# Altium PCB Master.PcbDoc (continued)
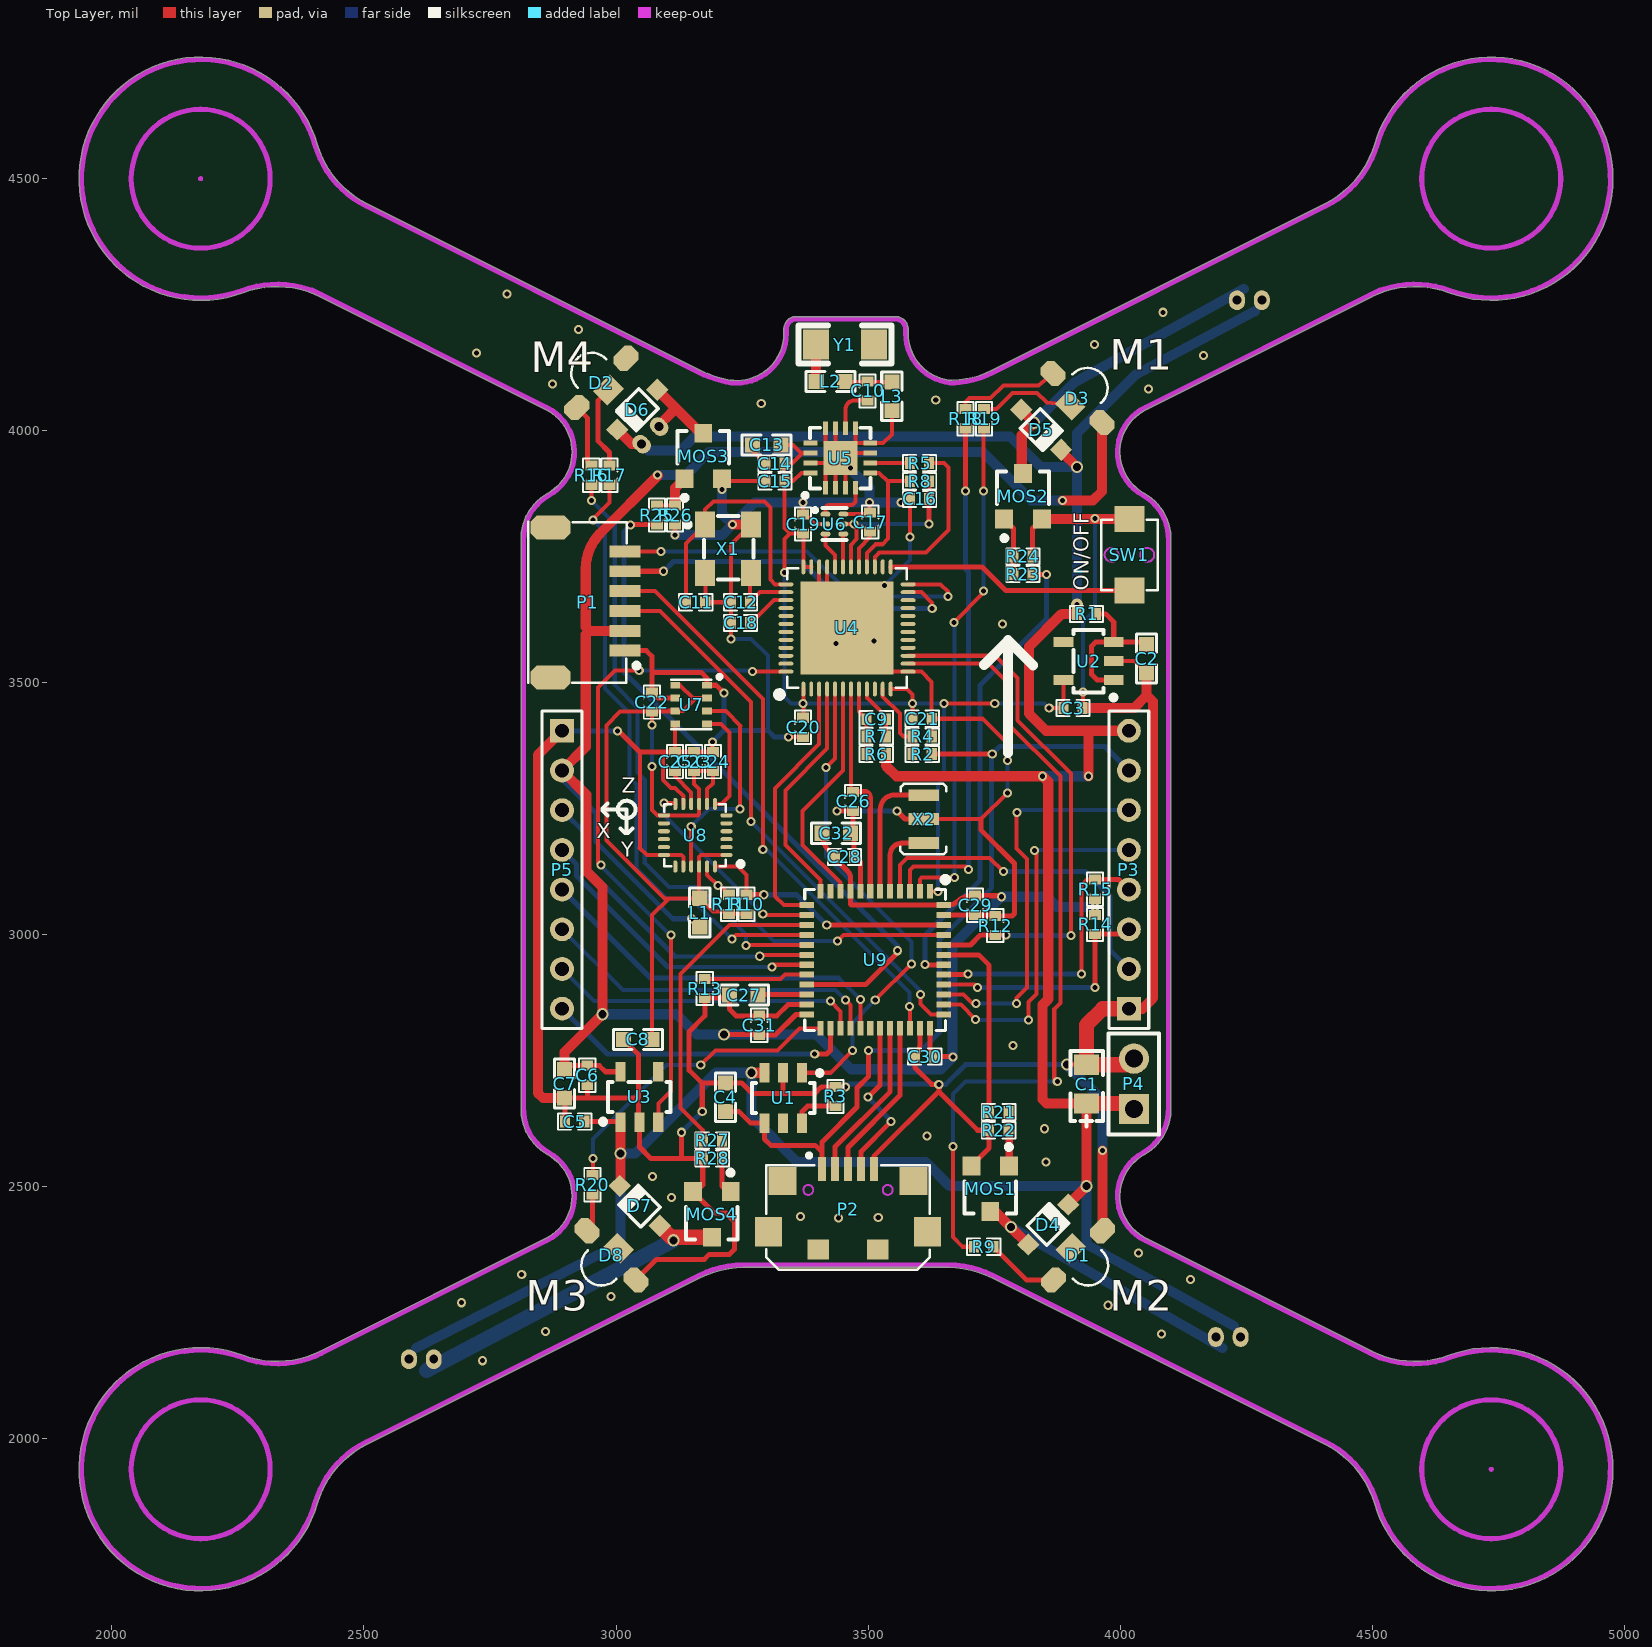
[diagram p0: Top Layer view]
## Part data
C1: library part CAP
C2 C3 C4 C5 C6 C7 C8 C9 C10 C11 C12 C13 C14 C15 C16 C17 C18 C19 C20 C21 C22 C23 C24 C25 C26 C27 C28 C29 C30 C31 C32: library part C
D1 D8: library part "LED 1206 侧贴  单色", "LED 1206 侧贴  单色"
D2 D3: library part "LED 1206 侧贴 双色", "LED 1206 侧贴 双色"
D4 D5 D6 D7: library part BAT54, "单肖特基二极管"
L1 L2 L3: library part L
MOS1 MOS2 MOS3 MOS4: library part MOS-N, "AP2306"
P1: library part HEAD6
P2: library part USB5
P3 P5: library part HEAD8
P4: library part "Header 2", "Header, 2-Pin"
R1 R2 R3 R4 R5 R6 R7 R8 R9 R10 R11 R12 R13 R14 R15 R16 R17 R18 R19 R20 R21 R22 R23 R24 R25 R26 R27 R28: library part R
SW1: library part KEY
U2 U3: library part XC6204
U6: library part BALUN
U9: library part STM32F411xC_xE, "STM32411xC_xE"
X1: library part XTAL-无源贴片, "无源贴片晶振"
X2: library part XTAL-3215
Y1: library part CHIP_ANTENNA

## Via types
v1: diameter 18, hole 10, Top Layer to Bottom Layer, 140 vias
v2: diameter 24, hole 16, Top Layer to Bottom Layer, 10 vias
v3: diameter 24, hole 10, Top Layer to Bottom Layer, 1 vias

## Nets (pads, with @x,y where several pads share a name; then routed paths per layer and width w, separated by ;. In a path a pad name is that pad's centre, name@x,y a point inside that pad or via, vN(x,y) a via of type N, cw(c..) or ccw(c..) an arc to the next point about the centre after c; other vN are vias at no path point)
+BATT: C1.1 C5.2 D4.2 D5.2 D6.2 D7.2 P3.8 P4.1 P6.2 P7.1 P8.2 P9.1 R1.2 R6.2 U1.3 U3.1 | length 6299.6
  Top Layer w10: C5.2 3008,2629 U3.1
  Top Layer w20: D6.2 3031.2,3972.6 P8.2 ; D7.2 3009,2503.2 v2(3009,2565.6) U3.1 ; v2(3269,2726) U1.3 ; R6.2 3535,3335 3556,3314 v1(3846,3314) 3857,3303 3857,2872 3846,2861 3846,2673 3854,2665 C1.1 v2(3933.06,2501.06) D4.2 ; D5.2 3884,3960 3884,3957 v2(3914,3927) ; v3(3914,3654) R1.2 3884,3636 3819,3571 3819,3438 3852.82,3404.18 3936,3404.18 ; v1(3937,3314) 3937,3403.18 3936,3404.18 ; P3.8@4025,3404.18 P3.8 3936,3404.18
  Top Layer w30: C1.1 4016,2665 P4.1
  Bottom Layer w20: 2603.21,2180.12 3009,2387 v2(3009,2565.6) 3037.6,2565.6 3198,2726 v2(3269,2726) 3269,2639 3359,2549 3614,2549 3661.94,2501.06 v2(3933.06,2501.06) 3933.06,2385.94 4225.17,2223.92 ; P8.2 3063.2,3960 3128.4,3960 3156,3987.6 3781.4,3987.6 3842,3927 v2(3914,3927) ; v1(3846,3314) v1(3937,3314) ; v3(3914,3654) v2(3914,3927) ; 4267.17,4236.08 4029.27,4109.37 3914,3994.1 v2(3914,3927)
E_CS0: P3.2 U9.4 | length 673.5
  Top Layer w8: U9.4 3563.21,3138.21 3577,3152 3741,3152 v1(3768,3125)
  Bottom Layer w10: v1(3768,3125) 3930,3125 3979,3076 3979,2970 P3.2@4017,2932 ; P3.2 P3.2@4017,2932 ; P3.2@4025,2931.74 4017.26,2931.74 P3.2@4017,2932
E_CS1: P5.3 U9.18 | length 644.8
  Top Layer w8: v1(3285,2957) 3287.84,2959.84 U9.18
  Bottom Layer w8: 3117,2957 v1(3285,2957)
  Bottom Layer w10: P5.3 2941,3198.7 2941,3133 3117,2957
E_CS2: P5.4 U9.19 | length 596.4
  Top Layer w8: v1(3309,2936) 3313.16,2940.16 U9.19
  Bottom Layer w8: 3102,2936 v1(3309,2936)
  Bottom Layer w10: P5.4 2922,3138.96 2922,3116 3102,2936
E_CS3: P5.5 U9.29 | length 738.7
  Top Layer w8: U9.29 v1(3484.47,2871)
  Bottom Layer w8: 3441.47,2914 v1(3484.47,2871)
  Bottom Layer w10: P5.5 3068.22,2914 3441.47,2914
E_CS4: U9.30
E_MISO: P5.7 U9.27 | length 620.6
  Top Layer w8: v1(3425,2868) 3445.1,2847.9 U9.27
  Bottom Layer w8: P5.7 2956.74,2868 v1(3425,2868)
E_MOSI: P5.6 U9.28 | length 680.1
  Top Layer w8: v1(3455,2870) 3464.79,2860.21 U9.28
  Bottom Layer w8: P5.6 3013.48,2890 3435,2890 v1(3455,2870)
E_RX1: P3.6 U9.39 | length 781
  Top Layer w8: U9.39 3688.9,2881.1 3707,2863 v1(3714,2863) ; v1(3794,2863) 3794,2874 3815,2895 3815,3150 3794,3171 3794,3241 v1(3795,3242)
  Bottom Layer w8: v1(3714,2863) v1(3794,2863) ; v1(3795,3242) 3795,3243 3798.7,3246.7 P3.6 P3.6@4025,3246.7
E_SCK: P5.8 U9.26 | length 616.5
  Top Layer w10: v1(3394,2763) 3418,2763 3425.42,2770.42 U9.26
  Bottom Layer w10: P5.8 2983,2763 v1(3394,2763)
E_SCL: P3.4 R15.1 U9.41 | length 562.2
  Top Layer w8: v1(3923,2922) 3923,3098 3934,3109 R15.1
  Top Layer w10: U9.41 3696.47,2920.47 v1(3698,2922) ; R15.1 3997.22,3109 P3.4 ; P3.4@4021,3093.22 P3.4@4025,3089.22
  Bottom Layer w10: v1(3698,2922) v1(3923,2922)
E_SDA: P3.3 R14.1 U9.40 | length 487.5
  Top Layer w8: U9.40 3711.21,2900.79 v1(3717,2895)
  Top Layer w10: v1(3950,2895) R14.1 4015.52,3001 P3.3@4025,3010.48
  Bottom Layer w10: v1(3717,2895) v1(3950,2895)
E_TX1: P3.5 U9.38 | length 712
  Top Layer w8: U9.38 3683.58,2861.42 v1(3713,2832) ; v1(3818,2831) 3818,2866 3834,2882 3834,3166 v1@3833,3167
  Bottom Layer w8: v1(3713,2832) 3714,2831 3715,2832 3716,2831 v1(3818,2831) ; v1(3830,3167) 3830.96,3167.96 P3.5
GND: C1.2 C2.1 C3.1 C4.1 C5.1 C6.1 C7.1 C8.1 C11.2 C12.2 C13.2 C14.2 C15.2 C16.2 C17.2 C18.2 C19.2 C20.2 C21.2 C22.1 C23.1 C24.1 C25.1 C26.1 C27.1 C28.1 C29.1 C30.1 C31.1 C32.1 D1.1 D8.1 L3.2 MOS1.2 MOS2.2 MOS3.2 MOS4.2 P1.1 P2.5 P3.1 P4.2 P5.1 R3.1 R4.1 R12.2 R13.2 R22.1 R24.1 R26.1 R28.1 SW1.2 U1.2 U2.2 U3.2 U4.13 U4.33 U4.34 U4.49 U5.1 U5.2 U5.3 U5.7 U5.8 U5.9 U5.11 U5.12 U5.15 U5.17 U6.2 U6.6 U7.1 U7.5 U7.7 U8.11 U8.18 U8.20 U9.8 U9.23 U9.35 U9.47 X1.2 X1.4 X2.2 | length 11664.8
  Top Layer w8: C25.1 3117,3417.11 U7.5 ; U8.20 3133.38,3153.62 3129.37,3157.63 U8.18 3061.37,3157.63 3047,3172 3048,3173 3048,3362 3093,3362 3093,3307 3109,3291 3117,3291 3133.38,3274.62 U8.11 ; X1.2 3177,3716.5 C11.2 C12.2 ; v1(3210.4,3882.4) MOS3.2 3215.19,3899 C15.2 C14.2 3270.5,3959.53 C13.2 ; v1(3228,3586) C18.2 C12.2 ; X1.4 3228,3773.5 C12.2 ; v1(3342,3392) C20.2 ; v1(3371,3857) C19.2 3376,3833 3395,3814 U6.2 ; U5.15 U5.17@3429,3935.16 ; U4.49@3402.88,3663.12 U4.34 ; U5.1 3415.47,3921.63 U5.17@3429,3935.16 ; U5.12 3415.47,3974.53 U5.17@3435.16,3954.84 ; U4.33 3418.63,3647.37 U4.49 3544.61,3521.39 U4.13 3605.61,3521.39 3626,3501 C21.2 ; U5.2 3435.16,3935.16 U5.17@3429,3935.16 ; U5.11 U5.17@3435.16,3954.84 ; U6.6 3500.69,3833.69 C17.2 3503,3838 v1(3503,3857) ; U5.3 3454.84,3935.16 U5.17 ; v1(3465,3925) U5.17@3468,3922 ; U5.9 U5.17@3474.53,3974.53 ; U5.7 U5.17@3454.84,3954.84 ; L3.2 3546.94,3991.94 3529.53,3974.53 U5.8 U5.17@3474.53,3974.53 ; v1(3583,3788) C16.2 ; X2.2 3724,3229 v1(3776,3281) ; R4.1 C21.2 ; v1(3776,3345) 3776,3379 3727,3428 C21.2 ; C3.1 3926,3450 v1(3926,3481) ; v1@3950,3823.79 v1(3950,3825) ; U2.2 4028.6,3542.4 C2.1 ; 4052,3474 4052,3475 ; U5.17@3435.16,3954.84 U5.17 ; U5.17 U5.17@3454.84,3954.84 ; U5.17@3454.84,3954.84 U5.17@3474.53,3974.53
  Top Layer w10: C5.1 2899,2675 C7.1 2943,2676 ; C6.1 2943,2676 ; v1(3003,3404) 3004.64,3404 3004.82,3404.18 3047,3362 3093,3362 C25.1 C23.1 C24.1 3191,3363 v1(3191,3382) ; C8.1 3045,2762 3045,2677 3044,2676 3032,2676 ; P1.1 3060,3563 3071,3552 3071,3521 ; D8.1 3080.44,2356 3175,2356 3185,2366 3225,2366 3235,2376 3235,2431 3218,2448 3194.81,2448 MOS4.2@3155.6,2487.21 ; v1(3117,3792) R26.1 ; U7.7 3082.2,3468.8 C22.1 3071,3521 ; v1(3130,2608) 3130,2557 3131,2556 ; MOS4.2 MOS4.2@3155.6,2487.21 ; v1(3171,2649) 3171,2705 3145,2731 3145,2808 3176,2839 R13.2 3219,2874 C27.1 3225,2852 3238,2839 C31.1 3319,2839 3341.42,2861.42 U9.23 ; 3172,2706 C4.1 3249,2706 3270,2685 3331,2685 ; v1(3214,3479) 3198.61,3494.39 U7.1 3180.5,3508.5 3169,3520 3072,3520 3071,3521 ; U1.2 3331.5,2685.5 3331,2685 ; v1(3438,3245) C26.1 3470.03,3195.97 3472.03,3193.97 C28.1 cw(c3472.03,3141.56) 3484.47,3141.56 U9.8 ; v1(3455,2698) R3.1 3407,2698 3394,2685 3331,2685 ; P2.5 3511.18,2560.18 3640,2689 ; v1(3557,3245) 3573,3229 X2.2 ; U9.35 3602.58,2781.13 cw(c3569.87,2781.13) C30.1 3593,2736 3626,2703 v1(3640,2703) 3640,2689 ; U9.47 3710.99,3038.58 ccw(c3710.99,3040.01) C29.1 3750,3039 R12.2 3785,3037 3790,3042 3790,3141 3724,3207 3724,3229 ; MOS1.2 3740,2576.61 R22.1 3717,2612 3640,2689 ; R24.1 3826,3805.39 MOS2.2 ; v2(3894,2742) C1.2 ; 2943,2676 3032,2676 ; 3032,2676 cw(c3032,2663) 3045,2663 3045,2629.4 ccw(c3046.4,2629.4) U3.2 3046.4,2578.6 3069,2556 3131,2556 ; 3131,2556 R28.1 3172,2503.61 MOS4.2@3155.6,2487.21
  Top Layer w20: P5.1 2845,3356.18 2845,2686 2855,2676 C7.1 ; v1(3231,3813) X1.4 ; MOS2.2 3950,3823.79 4017.92,3823.79 SW1.2 ; C3.1 4027,3449 4052,3474 ; D1.1 v1(3964.72,2571.72) ; P3.1@4025,2853 4044,2853 4065,2874 4065,3462 4052,3475 C2.1
  Top Layer w30: P3.1@4025,2853 3965,2853 3933.06,2821.06 C1.2 4015,2742 P4.2
  Bottom Layer w8: v1(3228,3586) 3268,3586 3301,3553 3301,3405 ; v1(3532,3692) 3583,3743 v1(3583,3788) ; v1(3776,3281) v1(3776,3345) ; v1(3926,3481) 3926,3620 3950,3644 v1(3950,3825)
  Bottom Layer w10: P5.1 2893.18,3404 v1(3003,3404) ; v1(3130,2608) v1(3171,2649) ; v1(3191,3382) 3214,3405 ; v1(3214,3479) 3214,3405 ; v1(3342,3392) 3314,3392 3301,3405 3214,3405 ; v1(3438,3245) v1(3557,3245) ; v1(3455,2698) 3461,2704 3639,2704 v1(3640,2703) 3654,2703 3693,2742 v2(3894,2742)
  Bottom Layer w20: v1(3117,3792) 3210,3792 v1(3231,3813) ; v1(3210.4,3882.4) 3210.4,3833.6 v1(3231,3813) ; v1(3465,3925) 3465,3923 3503,3885 v1(3503,3857) ; v1(3565,3857) v1(3503,3857) ; v2(3894,2742) 3964.72,2671.28 v1(3964.72,2571.72) ; v1(3231,3813) 3275,3857 v1(3371,3857) v1(3503,3857)
  other v1: 2735,2155 4082,2208 2860,2213 3976,2265 2694,2270 2990,2282 4139,2316 2813,2326 4036,2369 3441,2438 3520,2439 3366,2441 3110,2479 3072,2520 3853,2549 3617,2601 3850,2615 3787,2780 3436,3577 3512,3582 3766,3616 3288,4053 3634,4060 4056,4082 2874,4092 4165,4148 2723,4153 3949,4170 2926,4200 4085,4234 2784,4270
IMU_SCL: R11.1 U8.23 U9.45 | length 574.8
  Top Layer w8: U8.23 3180.62,3118.38 v1(3202,3097) 3206,3097 R11.1 ; v1(3439,2987) 3451.21,2999.21 U9.45
  Bottom Layer w8: v1(3202,3097) 3312,2987 v1(3439,2987)
IMU_SDA: R10.1 U8.24 U9.46 | length 524.4
  Top Layer w8: U8.24 3242.01,3134.99 3259,3118 R10.1
  Top Layer w10: R10.1 v1(3293,3079) ; v1(3417.9,3018.9) U9.46
  Bottom Layer w10: v1(3293,3079) 3357.8,3079 v1(3417.9,3018.9)
LED_B: R9.2 U4.14 | length 1605.5
  Top Layer w8: U4.14 3738.87,3537.13 3778,3498 3778,3417 3881,3314 3881,2864 3869,2852 3869,2715 v1(3875,2709) ; v1(3668,2580) 3668,2400 3687,2381 R9.2
  Bottom Layer w8: v1(3668,2580) 3668,2684 3693,2709 v1(3875,2709)
LED_B_L: R20.1 U9.25 | length 614.9
  Top Layer w8: R20.1 2954,2524 v1(2954,2556) ; v1(3168,2741) 3197,2770 3320,2770 3364.17,2814.17 U9.25
  Bottom Layer w8: v1(2954,2556) 2954,2595 3100,2741 v1(3168,2741)
LED_G_L: R17.2 U9.16 | length 1212.1
  Top Layer w8: v1(2954,3822) 2952,3822 2987,3857 R17.2 ; v1(3230,2991) 3238.21,2999.21 U9.16
  Bottom Layer w8: v1(2954,3822) 2978.5,3797.5 2978.5,3488 3027,3439.5 3027,3312 3041,3298 3041,3131 3101,3071 3150,3071 v1(3230,2991)
LED_G_R: R19.2 U9.2 | length 1013.9
  Top Layer w8: U9.2 3602.58,3109.58 3606,3113 v1(3671,3113) ; v1(3670,3619) 3729,3678 v1@3729,3685 ; v1(3729,3880) 3729,4003 R19.2
  Bottom Layer w8: v1(3670,3619) 3671,3618 v1(3671,3113) ; v1(3729,3681) v1(3729,3880)
LED_R_L: R16.2 U9.17 | length 1196.5
  Top Layer w8: v1(2951,3861) R16.2 ; v1(3258,2978) 3259.53,2979.53 U9.17
  Bottom Layer w8: v1(2951,3861) 2997.5,3814.5 2997.5,3495 3043,3449.5 3043,3321 3057,3307 3057,3142 3105,3094 3164,3094 3258,3000 v1(3258,2978)
LED_R_R: R18.2 U9.3 | length 1041.1
  Top Layer w8: U9.3 3582.9,3127.9 3590,3135 3693,3135 v1(3699,3129)
  Top Layer w10: v1(3693,3880) R18.2
  Bottom Layer w10: v1(3693,3880) 3693,3725 3699,3719 v1(3699,3129)
MOTOR1: R21.2 U9.43 | length 389.8
  Top Layer w10: U9.43 3719.16,2959.84 3740,2939 R21.2
MOTOR2: R23.2 U9.42 | length 940.5
  Top Layer w10: v1(3613,2941) 3612,2940 3649.67,2940 U9.42 ; R23.2 3827,3714 v1(3854,3714)
  Bottom Layer w10: v1(3613,2941) 3613,2999 3722,3108 3722,3495 3854,3627 v1(3854,3714)
MOTOR3: R25.2 U9.21 | length 1336.3
  Top Layer w10: v1(3029,3812) 3030,3813 R25.2 ; U9.21 3494.79,2900.79 3558,2964 v1(3558,2968)
  Bottom Layer w10: v1(3029,3812) 3016,3799 3016,3520 3558,2978 v1(3558,2968)
MOTOR4: R27.2 U9.15 | length 638.5
  Top Layer w8: R27.2 3172,2612 3128,2656 3128,2922 3224.9,3018.9 U9.15
MPU_INT: U8.12 U9.14 | length 412.8
  Top Layer w8: v1(3095,3261) 3115.64,3261 U8.12 ; v1(3291,3041) 3293.42,3038.58 U9.14
  Bottom Layer w8: v1(3095,3261) 3095,3237 v1(3291,3041)
NetC10_1: C10.1 U5.10 | length 91.4
  Top Layer w8: U5.10 3455,4004.06 3455,4041 cw(c3473,4041) 3473,4059 C10.1
NetC10_2: C10.2 L2.2 L3.1 | length 93.9
  Top Layer w8: L2.2 3454.44,4096 L3.1
NetC11_1: C11.1 U4.37 X1.1 | length 518.2
  Top Layer w8: C11.1 3139,3775.5 X1.1 3176.5,3842.5 3193,3859 3294,3859 3306,3847 3306,3704 3315.39,3694.61 U4.37
NetC12_1: C12.1 U4.38 X1.3 | length 137.8
  Top Layer w8: X1.3 3266,3715.5 C12.1 3285.87,3678.87 U4.38
NetC16_1: C16.1 R8.2 U4.30 U6.5 | length 347.7
  Top Layer w8: U6.5 v1(3472,3814) cw(c3472,3809) 3477,3809 3477,3784 3465.87,3772.87 U4.30
  Top Layer w10: v1(3621,3814) C16.1 R8.2
  Bottom Layer w8: v1(3472,3814) v1(3621,3814)
NetC17_1: C17.1 U4.29 | length 79.2
  Top Layer w8: U4.29 3481.62,3765.62 3504,3788 C17.1
NetC18_1: C18.1 U4.39 | length 89.6
  Top Layer w8: C18.1 3268,3618 3313.12,3663.12 U4.39
NetC25_2: C25.2 U8.10 | length 78.3
  Top Layer w8: C25.2 3117,3314 3149.13,3281.87 U8.10
NetC27_2: C27.2 U9.22 | length 97.2
  Top Layer w10: C27.2 3282.67,2881.1 U9.22
NetD1_3: D1.3 R9.1 | length 146.5
  Top Layer w10: R9.1 3813.72,2315.28 D1.3
NetD2_1: D2.1 R16.1 | length 127.2
  Top Layer w10: D2.1 2943,4024.56 2943,3938 R16.1
NetD2_2: D2.2 R17.1 | length 168.1
  Top Layer w10: D2.2 2964,4058.72 2964,3979 2987,3956 R17.1
NetD3_1: D3.1 R18.1 | length 209.5
  Top Layer w8: R18.1 3693,4056 3701,4064 3743,4064 3768,4089 3837.56,4089 D3.1
NetD3_2: D3.2 R19.1 | length 192.3
  Top Layer w8: R19.1 3754,4042 3786,4074 3835,4074 3854.14,4054.86 D3.2
NetD4_1: D4.1 MOS1.3 P6.1 | length 586.1
  Top Layer w20: MOS1.3 3752.02,2450.79 v2(3782.9,2419.9) D4.1
  Bottom Layer w20: v2(3782.9,2419.9) 4202.83,2180.08
NetD5_1: D5.1 MOS2.3 P7.2 | length 645.1
  Top Layer w20: D5.1 v2(3829,4015) 3804.56,3990.56 3804.56,3916.65 MOS2.3
  Bottom Layer w20: v2(3829,4015) 3907,4093 3907,4094.07 4244.83,4279.92
NetD6_1: D6.1 MOS3.3 P8.1 | length 158.3
  Top Layer w20: D6.1 3120.6,4041.6 ; 3097.4,4022.4 3116.6,4041.6 3120.6,4041.6 ; MOS3.3 3167.98,3994.21 3120.6,4041.6
NetD7_1: D7.1 MOS4.3 P9.2 | length 666
  Top Layer w30: D7.1 3109.21,2399.79 MOS4.3
  Bottom Layer w30: 2624.79,2135.88 v2(3114.21,2393.79)
NetD8_3: D8.3 R20.2 | length 76.7
  Top Layer w10: D8.3 2953,2423.44 R20.2
NetL2_1: L2.1 Y1.1 | length 73.2
  Top Layer w20: Y1.1 3396.5,4097.5 L2.1
NetMOS1_1: MOS1.1 R21.1 R22.2 | length 107.4
  Top Layer w15: R21.1 R22.2 3779.4,2610.6 MOS1.1
NetMOS2_1: MOS2.1 R23.1 R24.2 | length 116.4
  Top Layer w10: MOS2.1 3788,3805.39 R24.2 R23.1
NetMOS3_1: MOS3.1 R25.1 R26.2 | length 96.5
  Top Layer w8: R25.1 R26.2
  Top Layer w20: R26.2 3117,3885.19 MOS3.1
NetMOS4_1: MOS4.1 R27.1 R28.2 | length 115
  Top Layer w10: R27.1 R28.2 3210,2501.61 MOS4.1@3227.4,2484.21
NetR3_2: R3.2 U1.6 | length 93.6
  Top Layer w10: U1.6 3369,2649 3380,2660 R3.2
NetR5_2: R5.2 U4.27 | length 353.6
  Top Layer w8: U4.27 3513.12,3749.12 3522,3758 3615,3758 3659,3802 3659,3926 3650,3935 R5.2
NetR13_1: R13.1 U9.20 | length 205.7
  Top Layer w8: R13.1 3326.53,2912 3335,2920.47 U9.20
NetU4_31: U4.31 U6.4 | length 64.7
  Top Layer w8: U4.31 U6.4@3450.13,3793.73
NetU4_32: U4.32 U6.3 | length 73.2
  Top Layer w8: U6.3 3415.28,3771.72 3434.38,3752.62 U4.32
NetU5_4: U5.4 U6.1 | length 104.4
  Top Layer w8: U6.1 3415.28,3843.28 cw(c3424,3843.28) 3424,3852 3465,3852 ccw(c3465,3862) 3475,3862 3475,3885.94 U5.4
NetU7_3: U7.3 U8.21 | length 434.5
  Top Layer w8: U8.21 v1(3149.13,3214.13) ; U7.3 3217.8,3443.2 3247,3414 3246,3413 v1(3246,3249)
  Bottom Layer w8: v1(3149.13,3214.13) 3184,3249 v1(3246,3249)
NetU7_4: U7.4 U8.7 | length 212.6
  Top Layer w8: U7.4 3208.39,3417.61 3225,3401 3225,3275 3209.01,3259.01 U8.7
NetU9_5: U9.5 X2.1 | length 152.4
  Top Layer w10: U9.5 3543.53,3158.53 cw(c3566,3158.53) 3566,3181 cw(c3566.76,3181) 3566.76,3181.76 X2.1
NetU9_6: U9.6 X2.3 | length 265.2
  Top Layer w10: U9.6 3523.84,3247.84 cw(c3553,3247.84) 3553,3277 3609.24,3277 cw(c3609.24,3276.24) X2.3
NRF_FLOW_CTRL: U4.6 U9.10 | length 465.4
  Top Layer w8: U9.10 3445.1,3102.9 3370,3178 3370,3245 3450.13,3325.13 U4.6
NRF_RX: U4.4 U9.12 | length 464.2
  Top Layer w8: U9.12 3405.73,3108.27 3336,3178 3336,3286 3418.63,3368.63 U4.4
NRF_SWCLK: P1.6 U4.24 | length 772.3
  Top Layer w8: P1.6 v1(3088.85,3759.85) ; U4.24 3643.61,3694.61 3658,3680.23 v1(3658,3670)
  Bottom Layer w8: v1(3088.85,3759.85) 3379,3759.85 3468.85,3670 v1(3658,3670)
NRF_SWIO: P1.5 U4.23 | length 723.2
  Top Layer w8: U4.23 3606.13,3678.87 3627,3658 v1(3627,3647)
  Top Layer w10: P1.5 v1(3094.48,3720.48)
  Bottom Layer w10: v1(3094.48,3720.48) 3114,3740 3368,3740 3461,3647 v1(3627,3647)
NRF_TX: U4.3 U9.13 | length 517.9
  Top Layer w8: U9.13 3332.73,3058.27 3315,3076 3315,3290 3402.88,3377.88 U4.3
PA_RX_EN: R5.1 U5.6 | length 79
  Top Layer w8: U5.6 3582.84,3935.16 R5.1
PA_TX_DIS: R8.1 U4.28 U5.5 | length 280.4
  Top Layer w8: U4.28 3497.37,3756.37 3515,3774 3528,3774 3539,3785 3539,3898 ; U5.5 3521.53,3915.47 3539,3898 ; R8.1 3540,3899 3539,3898
PM_CHG_STATE: U1.1 U4.5 | length 961.7
  Top Layer w8: U1.1 3425,2726 v1(3469,2770) ; v1(3416,3331) 3434.38,3349.38 U4.5 ; v1(3514,2870) v1(3586,2942)
  Bottom Layer w8: v1(3416,3331) 3416,3155 3586,2985 v1(3586,2942) ; v1(3469,2770) 3469,2825 v1(3514,2870)
STM_BOOT0: R12.1 U4.15 U9.44 | length 1050.7
  Top Layer w8: U4.15 3752.12,3552.88 3796,3509 3796,3425 3902,3319 v1(3902,2998)
  Top Layer w10: U9.44 3703,2979.53 3722.47,2999 R12.1 v1(3773,2999)
  Bottom Layer w10: v1(3773,2999) 3774,2998 v1(3902,2998)
STM_NRST: C26.2 U4.7 U9.7 | length 431.2
  Top Layer w8: U4.7 3465.87,3289.16 C26.2@3471.03,3284
  Top Layer w10: C26.2@3471.03,3284 3492,3284 cw(c3492,3271.84) 3504.16,3271.84 U9.7
STM_SWCLK: P1.3 U9.37 | length 1117.3
  Top Layer w8: P1.3 3087.26,3641.74 3268,3461 v1(3268,3224) ; v1(3604,2881) 3604,2862 3624.27,2841.73 U9.37
  Bottom Layer w8: v1(3268,3224) 3604,2888 v1(3604,2881)
STM_SWIO: P1.4 U9.34 | length 1147.4
  Top Layer w8: P1.4 3076.89,3681.11 3291,3467 v1(3291,3169) ; v1(3582,2857) 3582.9,2856.1 U9.34
  Bottom Layer w8: v1(3291,3169) 3291,3174 3292,3175 3582,2885 v1(3582,2857)
SWITCH: SW1.1 U4.25 | length 492.8
  Top Layer w10: U4.25 3725.94,3729.06 3772.87,3682.13 SW1.1
USB_CONNECTED: R2.1 R4.2 U4.11 | length 164
  Top Layer w8: U4.11 3528.87,3472.13 3563,3438 3563,3400 3570,3393 R4.2 R2.1
USB_DM: P2.2 U9.32 | length 324.4
  Top Layer w10: P2.2 3434.41,2579.41 3543.53,2688.53 U9.32
USB_DP: P2.3 U9.33 | length 321.9
  Top Layer w10: P2.3 3460,2578 3563.21,2681.21 U9.33
USB_ID: P2.4 U9.31 | length 332.3
  Top Layer w10: P2.4 3485.59,2569.59 v1(3545,2629) ; v1(3500,2678) 3523.84,2701.84 U9.31
  Bottom Layer w10: v1(3500,2678) 3500,2676.18 3545,2631.18 v1(3545,2629)
VBAT: C9.2 R6.1 R7.2 U4.8 | length 135.3
  Top Layer w8: U4.8 3481.62,3442.38 C9.2 R7.2 R6.1
VBAT_SINK: C9.1 R7.1 U4.9 | length 109.5
  Top Layer w8: U4.9 3497.37,3469.63 3535,3432 C9.1 R7.1
VCC: C6.2 C7.2 C28.2 C29.2 C30.2 C31.2 C32.2 D2.3 D3.3 L1.2 P1.2 P5.2 R14.2 R15.2 U3.5 U9.9 U9.24 U9.36 U9.48 | length 5094.2
  Top Layer w10: C7.2 2905.6,2740.03 C6.2 2966.97,2740.03 2979,2728 U3.5 ; v1(3150,3031.44) L1.2 ; v2(3214,2802) 3283,2802 C31.2 3316,2801 3356.73,2841.73 U9.24 ; C32.2 ccw(c3460.48,3201.06) 3423.73,3164.31 C28.2 ccw(c3441.35,3154) C28.2@3436.17,3148.83 ; C28.2@3436.18,3148.82 3460,3125 cw(c3448.44,3113.44) 3464.79,3113.44 U9.9 3464.79,3060.21 3466.73,3058.27 U9.48 3658.33,3058.27 ccw(c3658.33,3084.67) 3677,3066 cw(c3703.56,3039.44) 3703.56,3077 C29.2 3762,3077 v1(3764,3075) ; U9.36@3622.44,2814 U9.36 3622.27,2779.08 ccw(c3652.08,2779.08) C30.2 3667,2758 v1(3668,2757) ; v1(3950,3055) R15.2
  Top Layer w20: C7.2 2898.06,2767.06 v2(2973,2842) 2973,3094 2941,3126 2941,3277.44 P5.2 2940,3372.44 2940,3595 ; P1.2 2947.37,3602.37 2940,3609.74 2940,3725.58 cw(c3040,3725.58) 2969.29,3796.29 v1@3083,3910 ; v1(3885,3861) 3946,3861 3963.72,3878.72 D3.3
  Bottom Layer w10: P5.2 2893,3308 2960,3241 2960,3184 3112.56,3031.44 v1(3150,3031.44)
  Bottom Layer w20: v2(2973,2842) 3120,2842 3160,2802 v2(3214,2802) 3397,2802 3466,2733 3644,2733 v1(3668,2757) 3667,2758 3667,2978 v1(3764,3075) 3854,3075 3874,3055 v1(3950,3055) ; v1(3082,3911) 3138,3911 3184,3957 3727,3957 3823,3861 v1(3885,3861)
VCCA: C8.2 C22.2 C23.2 C24.2 L1.1 R10.2 R11.2 U7.2 U7.6 U7.8 U8.1 U8.8 U8.9 U8.13 U8.22 | length 1762.1
  Top Layer w8: v1(3071,3333) 3071,3247.37 3082,3236.37 U8.13 3162.24,3236.37 3164.87,3239 U8.9 3164.87,3289.13 3155,3299 C23.2 C24.2 3192,3300 3180.62,3288.62 U8.8 ; v1(3071,3416) C22.2 ; C8.2 3071.5,3038.5 3105,3072 ; C22.2@3072.2,3443.2 C22.2 ; U7.6 3133.2,3443.2 3158.8,3468.8 ; U7.8 3126.61,3494.39 3152.2,3468.8 3158.8,3468.8 ; U7.2 3158.8,3468.8 ; U8.1 3168.63,3157.63 3164.87,3153.87 U8.22 3164.87,3073.13 L1.1 ; R10.2 R11.2 3219,3046 3192,3046 L1.1 ; C22.2 3008,3442 2981,3415 2981,3187 3096,3072 3105,3072 ; 3105,3072 L1.1
  Top Layer w10: C22.2@3072.2,3443.2 U7.6
  Bottom Layer w8: v1(3071,3333) v1(3071,3416)
VCCNRF: C3.2 C13.1 C14.1 C15.1 C19.1 C20.1 C21.1 U2.5 U4.1 U4.12 U4.35 U4.36 U5.14 U5.16 U9.1 | length 1893.1
  Top Layer w8: C13.1 3351,3971 3367.16,3954.84 3369.84,3954.84 ; v1(3334,3718) 3334,3784 3345,3795 ; C20.1@3371,3435 3371.39,3435.39 v1@3371.39,3458 ; v1(3371,3458) v1@3371.39,3458 ; C19.1 3345,3795 ; U4.1 v1@3371.39,3458 ; C19.1@3371.39,3785.61 U4.36 U4.35 ; U5.16 3367.47,3915.47 3351,3899 C15.1 ; U5.14 3369.84,3954.84 ; U4.12 3577.06,3486.94 3588,3476 v1(3588,3458) C21.1 ; U9.1 v1(3638.83,3085.83) ; v1(3650,3458) v1(3751,3458) ; v1(3859,3449) C3.2 U2.5 ; C15.1 C14.1 3349,3934 3369.84,3954.84 ; C15.1 3334.03,3805.97 3345,3795
  Bottom Layer w8: v1(3334,3718) 3334,3471 3347,3458 v1(3371,3458) v1(3588,3458) v1@3644,3458 ; v1(3638.83,3085.83) 3638.83,3299 3650,3310.17 v1(3650,3458) ; v1(3751,3458) 3850,3458 v1(3859,3449)
VEN_D: U3.3 U4.48 | length 1315.3
  Top Layer w8: v1@2964,3142 2964,3490 2998,3524 v1(3046,3524) ; U3.3 3083.8,2664.8 3109,2690 v1(3109,2999) ; v1(3270.39,3521.39) U4.48
  Bottom Layer w8: v1(2970,3138) 2970,3136 3107,2999 v1(3109,2999) ; v1(3046,3524) 3267.77,3524 v1(3270.39,3521.39)
VFILT: C2.2 R1.1 U2.1 U2.3 | length 300.5
  Top Layer w10: R1.1 3971,3636 3987,3620 U2.3 ; U2.1 3954,3505 3943,3516 3943,3572 3950.8,3579.8 U2.3 ; C2.2 4047.76,3579.8 U2.3
VUSB: C4.2 P2.1 P3.7 R2.2 U1.4 | length 1692.3
  Top Layer w10: C4.2 3243.5,2649.5 3267,2626 U1.4 3294.2,2594.8 3307,2582 3395,2582 3408.82,2568.18 ; P2.1 3408.82,2568.18 ; v1(3501,2770) 3501,2719 3478,2696 3478,2658 3408.82,2588.82 3408.82,2568.18 ; R2.2 v1(3746,3358)
  Bottom Layer w10: v1(3501,2770) 3605,2770 3641,2806 3641,2989 3745,3093 3745,3357 v1(3746,3358) 3761,3373 3969.44,3373 P3.7 P3.7@4025,3325.44
pads on no net: D1.2 D8.2 P1.A P1.B P2.0 U1.5 U2.4 U3.4 U4.2 U4.10 U4.16 U4.17 U4.18 U4.19 U4.20 U4.21 U4.22 U4.26 U4.40 U4.41 U4.42 U4.43 U4.44 U4.45 U4.46 U4.47 U5.13 U8.2 U8.3 U8.4 U8.5 U8.6 U8.14 U8.15 U8.16 U8.17 U8.19 U9.11 Y1.2

## Polygon pours and split planes (outlines as drawn)
GND on Bottom Layer "Top Layer-No Net" (solid, remove dead copper, pour order 0): 6318.31,9165.12 6380.31,9103.12 10398.31,9103.12 10398.31,5762.12 10219.31,5583.12 10172.31,5630.12 6303.31,5630.12
GND on Top Layer "Top Layer-No Net" (solid, remove dead copper, pour order 2): 7307.09,5248.68 7410.09,5145.68 11204.09,5145.68 11204.09,1625.68 11067.09,1488.68 11024.09,1531.68 7281.09,1531.68

## Keep-outs
Keep-Out Layer:
  circle w5: c2203.5,5 r2.5
  circle w5: c2176.45,4498.81 r2.5
  circle w5: c4735.51,1939.76 r2.5
  circle w5: c2176.45,4498.81 r2.5
  circle w10: c4735.51,4498.81 r137.8
  circle w10: c2176.45,1939.76 r137.8
  circle w10: c4735.51,1939.76 r137.8
  lines w10: 2314.25,4498.81 cw(c2176.45,4498.81) 2314.25,4498.99 ; 2396.76,4278.51 2863.46,4044.96 cw(c2819.41,3956.94) 2867.27,3870.94 ccw(c2915.13,3784.93) 2816.74,3782.23 ; 2415.71,4269.02 ccw(c2327.62,4092.98) 2258.91,4277.45 cw(c2176.45,4498.81) 2403.06,4565.51 ccw(c2591.9,4621.1) 2503.81,4445.06 3164.58,4114.4 ccw(c3252.68,4290.44) 3208.2,4098.68 ccw(c3239.44,4192.01) 3337.87,4192.01 3337.87,4200.89 cw(c3357.55,4200.89) 3357.55,4220.58 3554.42,4220.58 cw(c3554.42,4200.89) 3574.1,4200.86 3574.09,4192.01 ccw(c3672.51,4192.01) 3672.51,4093.59 ; 2816.71,3744.42 2816.71,3784.93 ; 2816.74,2650.93 2816.74,3787.64 ; 2816.74,2656.34 ccw(c2915.13,2653.64) 2867.27,2567.63 cw(c2819.41,2481.62) 2863.46,2393.61 2415.71,2169.55 cw(c2327.62,2345.59) 2258.91,2161.12 ccw(c2176.45,1939.76) 2403.06,1873.05 cw(c2591.9,1817.47) 2503.81,1993.51 3164.58,2324.17 cw(c3252.68,2148.13) 3252.68,2344.98 3659.28,2344.98 cw(c3659.28,2148.13) 3747.37,2324.17 4408.15,1993.51 cw(c4320.06,1817.47) 4508.9,1873.05 ccw(c4735.51,1939.76) 4653.05,2161.12 cw(c4584.34,2345.59) 4496.24,2169.55 ; 3667.03,4093.74 ccw(c3659.28,4290.44) 3747.37,4114.4 4408.15,4445.06 ; 4095.21,2650.93 4095.21,3787.64 ; 4095.21,2656.34 cw(c3996.82,2653.64) 4044.68,2567.63 ccw(c4092.55,2481.62) 4048.5,2393.61 4515.2,2160.06 ; 4095.21,3782.23 ccw(c3996.82,3784.93) 4044.68,3870.94 cw(c4092.55,3956.94) 4048.5,4044.96 4515.2,4278.51 ; 4408.15,4445.06 ccw(c4320.06,4621.1) 4508.9,4565.51 ; 4408.15,4445.06 ccw(c4320.06,4621.1) 4508.9,4565.51 ; 4508.9,4565.51 cw(c4735.51,4498.81) 4653.05,4277.45 ; 4653.05,4277.45 ccw(c4584.34,4092.98) 4496.24,4269.02 cw(c4584.34,4092.98) 4653.05,4277.45

## Silkscreen, mask and mechanical layers (free items; w line width, h text height)
Top Overlay:
  circle w8: c3021,3248 r17.46
  lines w8: 2983,3236 2973,3246 2973,3248 ; 2983,3260 2973,3250 2973,3248 ; 3009,3210 3018,3201 3021,3201 3021,3248 2973,3248 ; 3019.5,3201 3024,3201 3033,3210
  lines w20: 3730,3535 3777,3582 3777,3584 3777,3360 ; 3780,3581 3827,3534
  text "M1" at 3979,4120 h60
  text "M4" at 2831,4115 h60
  text "ON/OFF" at 3937,3682 h30 r90
  text "Z" at 3011,3281 h30
  text "X" at 2962,3191 h30
  text "Y" at 3010,3154 h30
  text "M3" at 2821,2254 h60
  text "M2" at 3979,2254 h60